# KiCad board register-backplane.kicad_pcb
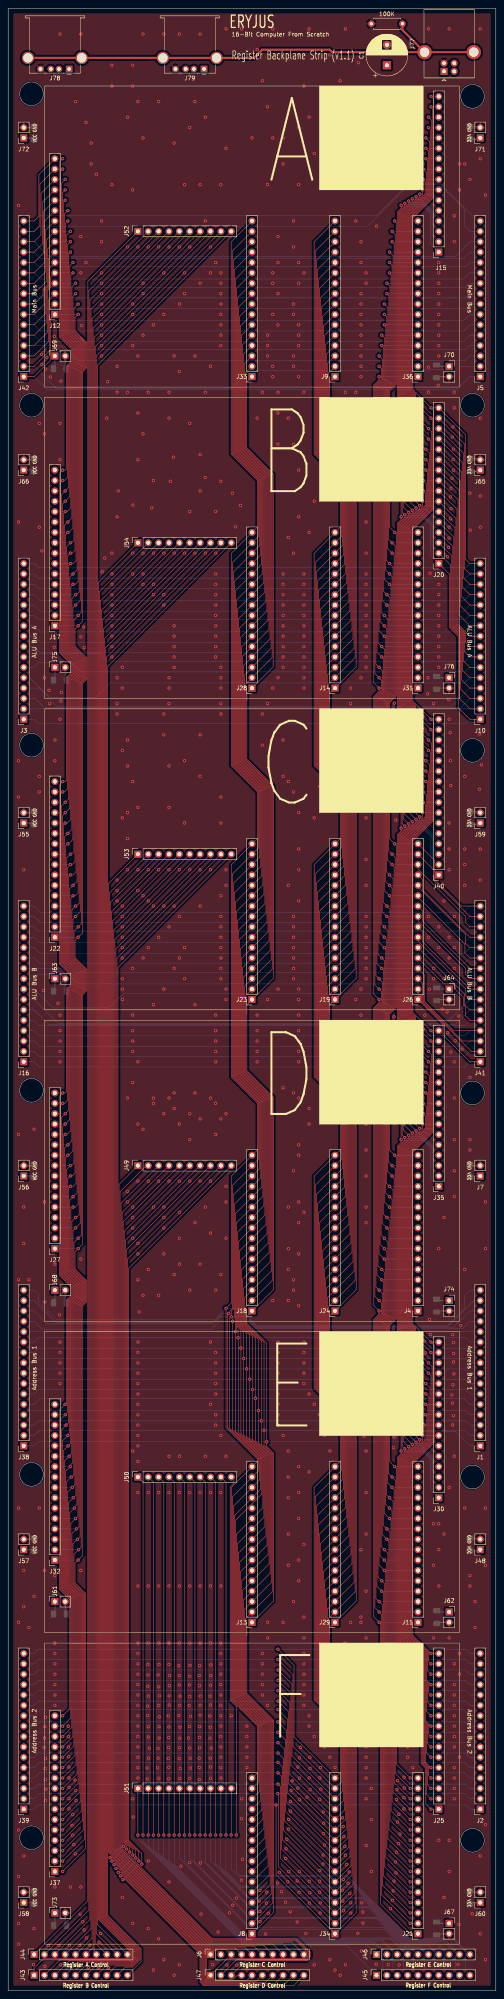
[diagram p0: board, top side]
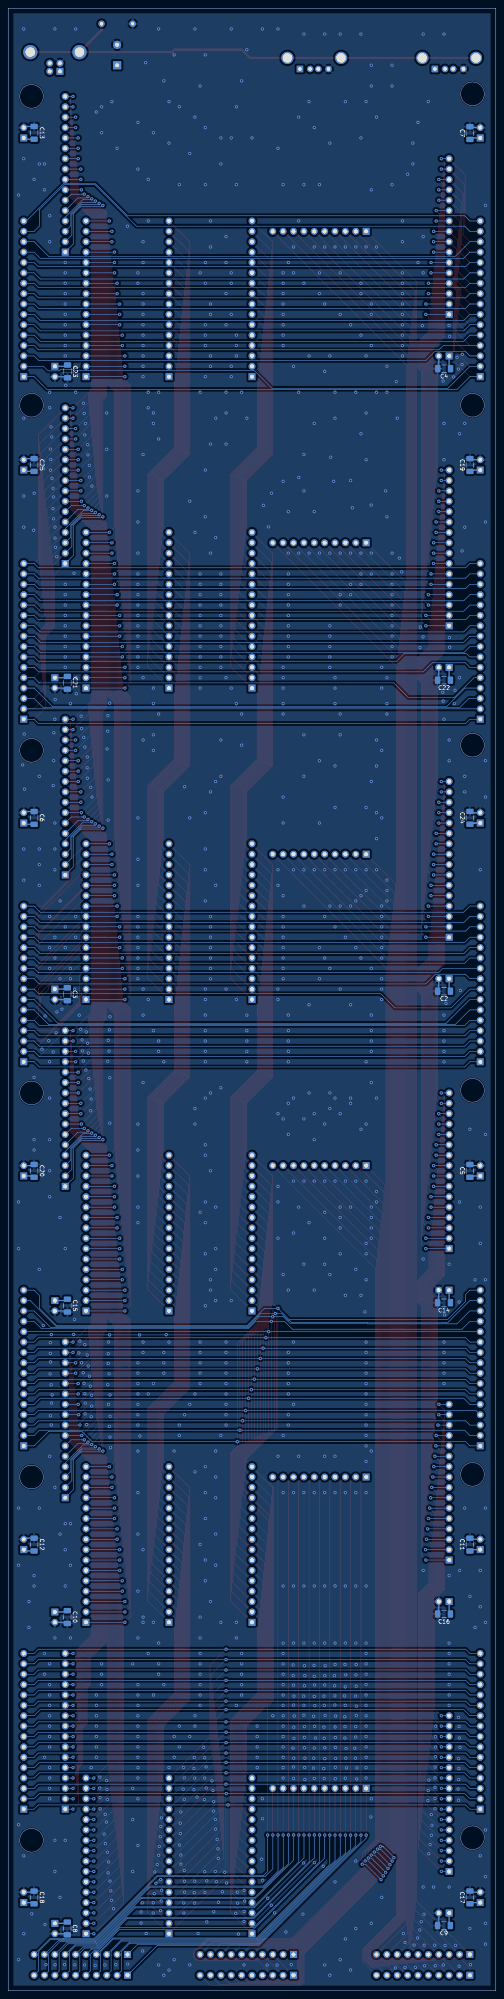
[diagram p1: board, bottom side, seen from below]

Outline 119.38 x 485.14 mm; copper layers: Top, In1.GND (plane), In2.VCC (plane), Bottom. Coordinates in mm from the lower left corner of the outline.
Outline path: rectangle 0,485.14 119.38,0 ; circle c5.71,464.19 r2.9 ; circle c5.71,387.99 r2.9 ; circle c5.71,304.8 r2.9 ; circle c5.71,220.35 r2.9 ; circle c5.71,126.37 r2.9 ; circle c5.71,37.47 r2.9 ; circle c113.66,463.55 r2.9 ; circle c113.66,387.99 r2.9 ; circle c113.66,303.53 r2.9 ; circle c113.66,219.71 r2.9 ; circle c113.66,125.73 r2.9 ; circle c113.66,36.83 r2.9
Stack: Top 0.035mm / dielectric 0.1mm FR4 er 4.5 / In1.GND 0.035mm / dielectric 1.33mm FR4 er 4.5 / In2.VCC 0.035mm / dielectric 0.1mm FR4 er 4.5 / Bottom 0.035mm

## Placement (name value [footprint] x y rotation side)
C1  1000uF  [CP_Radial_D10.0mm_P5.00mm]  92.71 471.17 90 top
C2  47uf  [C_1206_3216Metric_Pad1.33x1.80mm_HandSolder]  12.68 244.6 0 bottom
C3  47uf  [C_1206_3216Metric_Pad1.33x1.80mm_HandSolder]  104.9 243.86 270 bottom
C4  47uf  [C_1206_3216Metric_Pad1.33x1.80mm_HandSolder]  12.65 396.93 0 bottom
C5  47uf  [C_1206_3216Metric_Pad1.33x1.80mm_HandSolder]  6.35 200.64 90 bottom
C6  47uf  [C_1206_3216Metric_Pad1.33x1.80mm_HandSolder]  113.03 287 90 bottom
C7  47uf  [C_1206_3216Metric_Pad1.33x1.80mm_HandSolder]  6.35 454.58 90 bottom
C8  47uf  [C_1206_3216Metric_Pad1.33x1.80mm_HandSolder]  104.9 15.26 270 bottom
C9  47uf  [C_1206_3216Metric_Pad1.33x1.80mm_HandSolder]  12.7 15.98 0 bottom
C10  47uf  [C_1206_3216Metric_Pad1.33x1.80mm_HandSolder]  104.9 91.46 270 bottom
C11  47uf  [C_1206_3216Metric_Pad1.33x1.80mm_HandSolder]  6.35 109.2 90 bottom
C12  47uf  [C_1206_3216Metric_Pad1.33x1.80mm_HandSolder]  113.03 109.2 90 bottom
C13  47uf  [C_1206_3216Metric_Pad1.33x1.80mm_HandSolder]  113.03 454.63 90 bottom
C14  47uf  [C_1206_3216Metric_Pad1.33x1.80mm_HandSolder]  12.68 168.38 0 bottom
C15  47uf  [C_1206_3216Metric_Pad1.33x1.80mm_HandSolder]  104.88 167.66 270 bottom
C16  47uf  [C_1206_3216Metric_Pad1.33x1.80mm_HandSolder]  12.68 92.2 0 bottom
C17  47uf  [C_1206_3216Metric_Pad1.33x1.80mm_HandSolder]  6.35 22.86 90 bottom
C18  47uf  [C_1206_3216Metric_Pad1.33x1.80mm_HandSolder]  113.03 22.84 90 bottom
C19  47uf  [C_1206_3216Metric_Pad1.33x1.80mm_HandSolder]  6.35 373.36 90 bottom
C20  47uf  [C_1206_3216Metric_Pad1.33x1.80mm_HandSolder]  113.03 200.64 90 bottom
C21  47uf  [C_1206_3216Metric_Pad1.33x1.80mm_HandSolder]  104.88 320.06 270 bottom
C22  47uf  [C_1206_3216Metric_Pad1.33x1.80mm_HandSolder]  12.68 320.7 0 bottom
C23  47uf  [C_1206_3216Metric_Pad1.33x1.80mm_HandSolder]  104.85 396.26 270 bottom
C24  47uf  [C_1206_3216Metric_Pad1.33x1.80mm_HandSolder]  6.35 287.02 90 bottom
C25  47uf  [C_1206_3216Metric_Pad1.33x1.80mm_HandSolder]  113.03 373.36 90 bottom
J1  Address Bus 1  [PinSocket_1x16_P2.54mm_Vertical]  115.57 133.35 180 top
J2  Address Bus 2  [PinSocket_1x16_P2.54mm_Vertical]  115.57 44.45 180 top
J3  ALU Bus A  [PinSocket_1x16_P2.54mm_Vertical]  3.81 311.15 180 top
J4  ALU Bus B  [PinSocket_1x16_P2.54mm_Vertical]  100.33 166.37 180 top
J5  Main Bus  [PinSocket_1x16_P2.54mm_Vertical]  115.57 394.97 180 top
J6  Control Signals  [PinSocket_1x10_P2.54mm_Vertical]  49.53 8.89 90 top
J7  Power  [PinSocket_1x02_P2.54mm_Vertical]  115.57 199.39 180 top
J8  Address Bus 1  [PinSocket_1x16_P2.54mm_Vertical]  59.69 13.97 180 top
J9  Address Bus 2  [PinSocket_1x16_P2.54mm_Vertical]  80.01 394.97 180 top
J10  ALU Bus A  [PinSocket_1x16_P2.54mm_Vertical]  115.57 311.15 180 top
J11  ALU Bus B  [PinSocket_1x16_P2.54mm_Vertical]  100.33 90.17 180 top
J12  Main Bus  [PinSocket_1x16_P2.54mm_Vertical]  11.43 410.21 180 top
J13  Address Bus 1  [PinSocket_1x16_P2.54mm_Vertical]  59.69 90.17 180 top
J14  Address Bus 2  [PinSocket_1x16_P2.54mm_Vertical]  80.01 318.77 180 top
J15  ALU Bus A  [PinSocket_1x16_P2.54mm_Vertical]  105.41 425.45 180 top
J16  ALU Bus B  [PinSocket_1x16_P2.54mm_Vertical]  3.81 227.33 180 top
J17  Main Bus  [PinSocket_1x16_P2.54mm_Vertical]  11.43 334.01 180 top
J18  Address Bus 1  [PinSocket_1x16_P2.54mm_Vertical]  59.69 166.37 180 top
J19  Address Bus 2  [PinSocket_1x16_P2.54mm_Vertical]  80.01 242.57 180 top
J20  ALU Bus A  [PinSocket_1x16_P2.54mm_Vertical]  105.41 349.25 180 top
J21  ALU Bus B  [PinSocket_1x16_P2.54mm_Vertical]  100.33 13.97 180 top
J22  Main Bus  [PinSocket_1x16_P2.54mm_Vertical]  11.43 257.81 180 top
J23  Address Bus 1  [PinSocket_1x16_P2.54mm_Vertical]  59.69 242.57 180 top
J24  Address Bus 2  [PinSocket_1x16_P2.54mm_Vertical]  80.01 166.37 180 top
J25  ALU Bus A  [PinSocket_1x16_P2.54mm_Vertical]  105.41 44.45 180 top
J26  ALU Bus B  [PinSocket_1x16_P2.54mm_Vertical]  100.33 242.57 180 top
J27  Main Bus  [PinSocket_1x16_P2.54mm_Vertical]  11.43 181.61 180 top
J28  Address Bus 1  [PinSocket_1x16_P2.54mm_Vertical]  59.69 318.77 180 top
J29  Address Bus 2  [PinSocket_1x16_P2.54mm_Vertical]  80.01 90.17 180 top
J30  ALU Bus A  [PinSocket_1x16_P2.54mm_Vertical]  105.41 120.65 180 top
J31  ALU Bus B  [PinSocket_1x16_P2.54mm_Vertical]  100.33 318.77 180 top
J32  Main Bus  [PinSocket_1x16_P2.54mm_Vertical]  11.43 105.41 180 top
J33  Address Bus 1  [PinSocket_1x16_P2.54mm_Vertical]  59.69 394.97 180 top
J34  Address Bus 2  [PinSocket_1x16_P2.54mm_Vertical]  80.01 13.97 180 top
J35  ALU Bus A  [PinSocket_1x16_P2.54mm_Vertical]  105.41 196.85 180 top
J36  ALU Bus B  [PinSocket_1x16_P2.54mm_Vertical]  100.33 394.97 180 top
J37  Main Bus  [PinSocket_1x16_P2.54mm_Vertical]  11.43 29.21 180 top
J38  Address Bus 1  [PinSocket_1x16_P2.54mm_Vertical]  3.81 133.35 180 top
J39  Address Bus 2  [PinSocket_1x16_P2.54mm_Vertical]  3.81 44.45 180 top
J40  ALU Bus A  [PinSocket_1x16_P2.54mm_Vertical]  105.41 273.05 180 top
J41  ALU Bus B  [PinSocket_1x16_P2.54mm_Vertical]  115.57 227.33 180 top
J42  Main Bus  [PinSocket_1x16_P2.54mm_Vertical]  3.81 394.97 180 top
J43  Control Signals  [PinSocket_1x10_P2.54mm_Vertical]  6.35 3.81 90 top
J44  Control Signals  [PinSocket_1x10_P2.54mm_Vertical]  6.35 8.89 90 top
J45  Control Signals  [PinSocket_1x10_P2.54mm_Vertical]  90.17 3.81 90 top
J46  Control Signals  [PinSocket_1x10_P2.54mm_Vertical]  90.17 8.89 90 top
J47  Control Signals  [PinSocket_1x10_P2.54mm_Vertical]  49.53 3.81 90 top
J48  Power  [PinSocket_1x02_P2.54mm_Vertical]  115.57 107.95 180 top
J49  Control Signals  [PinSocket_1x10_P2.54mm_Vertical]  31.75 201.93 90 top
J50  Control Signals  [PinSocket_1x10_P2.54mm_Vertical]  31.75 125.73 90 top
J51  Control Signals  [PinSocket_1x10_P2.54mm_Vertical]  31.75 49.53 90 top
J52  Control Signals  [PinSocket_1x10_P2.54mm_Vertical]  31.75 430.53 90 top
J53  Control Signals  [PinSocket_1x10_P2.54mm_Vertical]  31.75 278.13 90 top
J54  Control Signals  [PinSocket_1x10_P2.54mm_Vertical]  31.75 354.33 90 top
J55  Power  [PinSocket_1x02_P2.54mm_Vertical]  3.81 285.75 180 top
J56  Power  [PinSocket_1x02_P2.54mm_Vertical]  3.81 199.39 180 top
J57  Power  [PinSocket_1x02_P2.54mm_Vertical]  3.81 107.95 180 top
J58  Power  [PinSocket_1x02_P2.54mm_Vertical]  3.81 21.59 180 top
J59  Power  [PinSocket_1x02_P2.54mm_Vertical]  115.57 285.75 180 top
J60  Power  [PinSocket_1x02_P2.54mm_Vertical]  115.57 21.59 180 top
J61  Power  [PinSocket_1x02_P2.54mm_Vertical]  11.43 95.25 90 top
J62  Power  [PinSocket_1x02_P2.54mm_Vertical]  107.95 92.71 0 top
J63  Power  [PinSocket_1x02_P2.54mm_Vertical]  11.43 247.65 90 top
J64  Power  [PinSocket_1x02_P2.54mm_Vertical]  107.95 245.11 0 top
J65  Power  [PinSocket_1x02_P2.54mm_Vertical]  115.57 372.11 180 top
J66  Power  [PinSocket_1x02_P2.54mm_Vertical]  3.81 372.11 180 top
J67  Power  [PinSocket_1x02_P2.54mm_Vertical]  107.95 16.51 0 top
J68  Power  [PinSocket_1x02_P2.54mm_Vertical]  11.43 171.45 90 top
J69  Power  [PinSocket_1x02_P2.54mm_Vertical]  11.43 400.05 90 top
J70  Power  [PinSocket_1x02_P2.54mm_Vertical]  107.95 397.51 0 top
J71  Power  [PinSocket_1x02_P2.54mm_Vertical]  115.57 453.39 180 top
J72  Power  [PinSocket_1x02_P2.54mm_Vertical]  3.81 453.39 180 top
J73  Power  [PinSocket_1x02_P2.54mm_Vertical]  11.43 19.05 90 top
J74  Power  [PinSocket_1x02_P2.54mm_Vertical]  107.95 168.91 0 top
J75  Power  [PinSocket_1x02_P2.54mm_Vertical]  11.43 323.85 90 top
J76  Power  [PinSocket_1x02_P2.54mm_Vertical]  107.95 321.31 0 top
J77  USB_B  [USB_B_OST_USB-B1HSxx_Horizontal]  106.7 469.67 90 top
J78  USB_A  [USB_A_Stewart_SS-52100-001_Horizontal]  14.93 470.26 180 top
J79  USB_A  [USB_A_Stewart_SS-52100-001_Horizontal]  47.95 470.26 180 top
R1  100K  [R_Axial_DIN0207_L6.3mm_D2.5mm_P7.62mm_Horizontal]  96.52 481.33 180 top

## Library data of the parts
C1 = -: Description: Polarized capacitor, US symbol
C2-C25 = -: Description: Unpolarized capacitor, small symbol
J1-J5 J8-J42 = -: Description: Generic connector, single row, 01x16, script generated
J6 J43-J47 J49-J54 = -: Description: Generic connector, single row, 01x10, script generated
J7 J48 J55-J76 = -: Description: Generic connector, single row, 01x02, script generated
J77 = -: Description: USB Type B connector
J78 J79 = -: Description: USB Type A connector
R1 = -: Description: Resistor

## Footprints (pads in the part's own frame, mm; a bottom-side part is the same pattern mirrored in y, then rotated)
C_1206_3216Metric_Pad1.33x1.80mm_HandSolder
  rrect 1.325x1.8 smd: 1(-1.562,0) 2(1.562,0)
CP_Radial_D10.0mm_P5.00mm
  rect 2x2 hole 1: 1(0,0)
  round 2 hole 1: 2(5,0)
PinSocket_1x02_P2.54mm_Vertical
  rect 1.7x1.7 hole 1: 1(0,0)
  oval 1.7x1.7 hole 1: 2(0,-2.54)
PinSocket_1x10_P2.54mm_Vertical
  rect 1.7x1.7 hole 1: 1(0,0)
  oval 1.7x1.7 hole 1: 2(0,-2.54) 3(0,-5.08) 4(0,-7.62) 5(0,-10.16) 6(0,-12.7) 7(0,-15.24) 8(0,-17.78) 9(0,-20.32) 10(0,-22.86)
PinSocket_1x16_P2.54mm_Vertical
  rect 1.7x1.7 hole 1: 1(0,0)
  oval 1.7x1.7 hole 1: 2(0,-2.54) 3(0,-5.08) 4(0,-7.62) 5(0,-10.16) 6(0,-12.7) 7(0,-15.24) 8(0,-17.78) 9(0,-20.32) 10(0,-22.86) 11(0,-25.4) 12(0,-27.94) 13(0,-30.48) 14(0,-33.02) 15(0,-35.56) 16(0,-38.1)
R_Axial_DIN0207_L6.3mm_D2.5mm_P7.62mm_Horizontal
  round 1.6 hole 0.8: 1(0,0)
  oval 1.6x1.6 hole 0.8: 2(7.62,0)
USB_A_Stewart_SS-52100-001_Horizontal
  rect 1.6x1.6 hole 0.92: 1(0,0)
  round 1.6 hole 0.92: 2(2.5,0) 3(4.5,0) 4(7,0)
  round 3 hole 2.3: 5(-3.07,-2.71) 5(10.07,-2.71)
USB_B_OST_USB-B1HSxx_Horizontal
  rect 1.7x1.7 hole 0.92: 1(0,0)
  round 1.7 hole 0.92: 2(0,-2.5) 3(2,-2.5) 4(2,0)
  round 3.5 hole 2.33: 5(4.71,4.77) 5(4.71,-7.27)

## Nets
GNDREF: C1.2 C2.2 C3.2 C4.2 C5.2 C6.2 C7.2 C8.2 C9.2 C10.2 C11.2 C12.2 C13.2 C14.2 C15.2 C16.2 C17.2 C18.2 C19.2 C20.2 C21.2 C22.2 C23.2 C24.2 C25.2 J7.2 J48.2 J55.2 J56.2 J57.2 J58.2 J59.2 J60.2 J61.2 J62.2 J63.2 J64.2 J65.2 J66.2 J67.2 J68.2 J69.2 J70.2 J71.2 J72.2 J73.2 J74.2 J75.2 J76.2 J77.4 J78.4 J79.4 R1.2
VCC: C1.1 C2.1 C3.1 C4.1 C5.1 C6.1 C7.1 C8.1 C9.1 C10.1 C11.1 C12.1 C13.1 C14.1 C15.1 C16.1 C17.1 C18.1 C19.1 C20.1 C21.1 C22.1 C23.1 C24.1 C25.1 J7.1 J48.1 J55.1 J56.1 J57.1 J58.1 J59.1 J60.1 J61.1 J62.1 J63.1 J64.1 J65.1 J66.1 J67.1 J68.1 J69.1 J70.1 J71.1 J72.1 J73.1 J74.1 J75.1 J76.1 J77.1 J78.1 J79.1
AddrBus1Assert_A: J47.9 J49.9
AddrBus1Assert_B: J46.9 J50.9
AddrBus1Assert_C: J45.9 J51.9
AddrBus1Assert_D: J44.9 J52.9
AddrBus1Assert_E: J6.9 J53.9
AddrBus1Assert_F: J43.9 J54.9
AddrBus1Bit0: J1.1 J8.1 J13.1 J18.1 J23.1 J28.1 J33.1 J38.1
AddrBus1Bit1: J1.2 J8.2 J13.2 J18.2 J23.2 J28.2 J33.2 J38.2
AddrBus1Bit2: J1.3 J8.3 J13.3 J18.3 J23.3 J28.3 J33.3 J38.3
AddrBus1Bit3: J1.4 J8.4 J13.4 J18.4 J23.4 J28.4 J33.4 J38.4
AddrBus1Bit4: J1.5 J8.5 J13.5 J18.5 J23.5 J28.5 J33.5 J38.5
AddrBus1Bit5: J1.6 J8.6 J13.6 J18.6 J23.6 J28.6 J33.6 J38.6
AddrBus1Bit6: J1.7 J8.7 J13.7 J18.7 J23.7 J28.7 J33.7 J38.7
AddrBus1Bit7: J1.8 J8.8 J13.8 J18.8 J23.8 J28.8 J33.8 J38.8
AddrBus1Bit8: J1.9 J8.9 J13.9 J18.9 J23.9 J28.9 J33.9 J38.9
AddrBus1Bit9: J1.10 J8.10 J13.10 J18.10 J23.10 J28.10 J33.10 J38.10
AddrBus1BitA: J1.11 J8.11 J13.11 J18.11 J23.11 J28.11 J33.11 J38.11
AddrBus1BitB: J1.12 J8.12 J13.12 J18.12 J23.12 J28.12 J33.12 J38.12
AddrBus1BitC: J1.13 J8.13 J13.13 J18.13 J23.13 J28.13 J33.13 J38.13
AddrBus1BitD: J1.14 J8.14 J13.14 J18.14 J23.14 J28.14 J33.14 J38.14
AddrBus1BitE: J1.15 J8.15 J13.15 J18.15 J23.15 J28.15 J33.15 J38.15
AddrBus1BitF: J1.16 J8.16 J13.16 J18.16 J23.16 J28.16 J33.16 J38.16
AddrBus2Assert_A: J47.10 J49.10
AddrBus2Assert_B: J46.10 J50.10
AddrBus2Assert_C: J45.10 J51.10
AddrBus2Assert_D: J44.10 J52.10
AddrBus2Assert_E: J6.10 J53.10
AddrBus2Assert_F: J43.10 J54.10
AddrBus2Bit0: J2.1 J9.1 J14.1 J19.1 J24.1 J29.1 J34.1 J39.1
AddrBus2Bit1: J2.2 J9.2 J14.2 J19.2 J24.2 J29.2 J34.2 J39.2
AddrBus2Bit2: J2.3 J9.3 J14.3 J19.3 J24.3 J29.3 J34.3 J39.3
AddrBus2Bit3: J2.4 J9.4 J14.4 J19.4 J24.4 J29.4 J34.4 J39.4
AddrBus2Bit4: J2.5 J9.5 J14.5 J19.5 J24.5 J29.5 J34.5 J39.5
AddrBus2Bit5: J2.6 J9.6 J14.6 J19.6 J24.6 J29.6 J34.6 J39.6
AddrBus2Bit6: J2.7 J9.7 J14.7 J19.7 J24.7 J29.7 J34.7 J39.7
AddrBus2Bit7: J2.8 J9.8 J14.8 J19.8 J24.8 J29.8 J34.8 J39.8
AddrBus2Bit8: J2.9 J9.9 J14.9 J19.9 J24.9 J29.9 J34.9 J39.9
AddrBus2Bit9: J2.10 J9.10 J14.10 J19.10 J24.10 J29.10 J34.10 J39.10
AddrBus2BitA: J2.11 J9.11 J14.11 J19.11 J24.11 J29.11 J34.11 J39.11
AddrBus2BitB: J2.12 J9.12 J14.12 J19.12 J24.12 J29.12 J34.12 J39.12
AddrBus2BitC: J2.13 J9.13 J14.13 J19.13 J24.13 J29.13 J34.13 J39.13
AddrBus2BitD: J2.14 J9.14 J14.14 J19.14 J24.14 J29.14 J34.14 J39.14
AddrBus2BitE: J2.15 J9.15 J14.15 J19.15 J24.15 J29.15 J34.15 J39.15
AddrBus2BitF: J2.16 J9.16 J14.16 J19.16 J24.16 J29.16 J34.16 J39.16
ALUAAssert_A: J47.7 J49.7
ALUAAssert_B: J46.7 J50.7
ALUAAssert_C: J45.7 J51.7
ALUAAssert_D: J44.7 J52.7
ALUAAssert_E: J6.7 J53.7
ALUAAssert_F: J43.7 J54.7
ALUABit0: J3.1 J10.1 J15.1 J20.1 J25.1 J30.1 J35.1 J40.1
ALUABit1: J3.2 J10.2 J15.2 J20.2 J25.2 J30.2 J35.2 J40.2
ALUABit2: J3.3 J10.3 J15.3 J20.3 J25.3 J30.3 J35.3 J40.3
ALUABit3: J3.4 J10.4 J15.4 J20.4 J25.4 J30.4 J35.4 J40.4
ALUABit4: J3.5 J10.5 J15.5 J20.5 J25.5 J30.5 J35.5 J40.5
ALUABit5: J3.6 J10.6 J15.6 J20.6 J25.6 J30.6 J35.6 J40.6
ALUABit6: J3.7 J10.7 J15.7 J20.7 J25.7 J30.7 J35.7 J40.7
ALUABit7: J3.8 J10.8 J15.8 J20.8 J25.8 J30.8 J35.8 J40.8
ALUABit8: J3.9 J10.9 J15.9 J20.9 J25.9 J30.9 J35.9 J40.9
ALUABit9: J3.10 J10.10 J15.10 J20.10 J25.10 J30.10 J35.10 J40.10
ALUABitA: J3.11 J10.11 J15.11 J20.11 J25.11 J30.11 J35.11 J40.11
ALUABitB: J3.12 J10.12 J15.12 J20.12 J25.12 J30.12 J35.12 J40.12
ALUABitC: J3.13 J10.13 J15.13 J20.13 J25.13 J30.13 J35.13 J40.13
ALUABitD: J3.14 J10.14 J15.14 J20.14 J25.14 J30.14 J35.14 J40.14
ALUABitE: J3.15 J10.15 J15.15 J20.15 J25.15 J30.15 J35.15 J40.15
ALUABitF: J3.16 J10.16 J15.16 J20.16 J25.16 J30.16 J35.16 J40.16
ALUBAssert_A: J47.8 J49.8
ALUBAssert_B: J46.8 J50.8
ALUBAssert_C: J45.8 J51.8
ALUBAssert_D: J44.8 J52.8
ALUBAssert_E: J6.8 J53.8
ALUBAssert_F: J43.8 J54.8
ALUBBit0: J4.1 J11.1 J16.1 J21.1 J26.1 J31.1 J36.1 J41.1
ALUBBit1: J4.2 J11.2 J16.2 J21.2 J26.2 J31.2 J36.2 J41.2
ALUBBit2: J4.3 J11.3 J16.3 J21.3 J26.3 J31.3 J36.3 J41.3
ALUBBit3: J4.4 J11.4 J16.4 J21.4 J26.4 J31.4 J36.4 J41.4
ALUBBit4: J4.5 J11.5 J16.5 J21.5 J26.5 J31.5 J36.5 J41.5
ALUBBit5: J4.6 J11.6 J16.6 J21.6 J26.6 J31.6 J36.6 J41.6
ALUBBit6: J4.7 J11.7 J16.7 J21.7 J26.7 J31.7 J36.7 J41.7
ALUBBit7: J4.8 J11.8 J16.8 J21.8 J26.8 J31.8 J36.8 J41.8
ALUBBit8: J4.9 J11.9 J16.9 J21.9 J26.9 J31.9 J36.9 J41.9
ALUBBit9: J4.10 J11.10 J16.10 J21.10 J26.10 J31.10 J36.10 J41.10
ALUBBitA: J4.11 J11.11 J16.11 J21.11 J26.11 J31.11 J36.11 J41.11
ALUBBitB: J4.12 J11.12 J16.12 J21.12 J26.12 J31.12 J36.12 J41.12
ALUBBitC: J4.13 J11.13 J16.13 J21.13 J26.13 J31.13 J36.13 J41.13
ALUBBitD: J4.14 J11.14 J16.14 J21.14 J26.14 J31.14 J36.14 J41.14
ALUBBitE: J4.15 J11.15 J16.15 J21.15 J26.15 J31.15 J36.15 J41.15
ALUBBitF: J4.16 J11.16 J16.16 J21.16 J26.16 J31.16 J36.16 J41.16
AndLatch_A: J47.4 J49.4
AndLatch_B: J46.4 J50.4
AndLatch_C: J45.4 J51.4
AndLatch_D: J44.4 J52.4
AndLatch_E: J6.4 J53.4
AndLatch_F: J43.4 J54.4
Clear_A: J47.1 J49.1
Clear_B: J46.1 J50.1
Clear_C: J45.1 J51.1
Clear_D: J44.1 J52.1
Clear_E: J6.1 J53.1
Clear_F: J43.1 J54.1
MainBit0: J5.1 J12.1 J17.1 J22.1 J27.1 J32.1 J37.1 J42.1
MainBit1: J5.2 J12.2 J17.2 J22.2 J27.2 J32.2 J37.2 J42.2
MainBit2: J5.3 J12.3 J17.3 J22.3 J27.3 J32.3 J37.3 J42.3
MainBit3: J5.4 J12.4 J17.4 J22.4 J27.4 J32.4 J37.4 J42.4
MainBit4: J5.5 J12.5 J17.5 J22.5 J27.5 J32.5 J37.5 J42.5
MainBit5: J5.6 J12.6 J17.6 J22.6 J27.6 J32.6 J37.6 J42.6
MainBit6: J5.7 J12.7 J17.7 J22.7 J27.7 J32.7 J37.7 J42.7
MainBit7: J5.8 J12.8 J17.8 J22.8 J27.8 J32.8 J37.8 J42.8
MainBit8: J5.9 J12.9 J17.9 J22.9 J27.9 J32.9 J37.9 J42.9
MainBit9: J5.10 J12.10 J17.10 J22.10 J27.10 J32.10 J37.10 J42.10
MainBitA: J5.11 J12.11 J17.11 J22.11 J27.11 J32.11 J37.11 J42.11
MainBitB: J5.12 J12.12 J17.12 J22.12 J27.12 J32.12 J37.12 J42.12
MainBitC: J5.13 J12.13 J17.13 J22.13 J27.13 J32.13 J37.13 J42.13
MainBitD: J5.14 J12.14 J17.14 J22.14 J27.14 J32.14 J37.14 J42.14
MainBitE: J5.15 J12.15 J17.15 J22.15 J27.15 J32.15 J37.15 J42.15
MainBitF: J5.16 J12.16 J17.16 J22.16 J27.16 J32.16 J37.16 J42.16
MainBusAssert_A: J47.6 J49.6
MainBusAssert_B: J46.6 J50.6
MainBusAssert_C: J45.6 J51.6
MainBusAssert_D: J44.6 J52.6
MainBusAssert_E: J6.6 J53.6
MainBusAssert_F: J43.6 J54.6
RegisterInput0_A: J47.2 J49.2
RegisterInput0_B: J46.2 J50.2
RegisterInput0_C: J45.2 J51.2
RegisterInput0_D: J44.2 J52.2
RegisterInput0_E: J6.2 J53.2
RegisterInput0_F: J43.2 J54.2
RegisterInput1_A: J47.3 J49.3
RegisterInput1_B: J46.3 J50.3
RegisterInput1_C: J45.3 J51.3
RegisterInput1_D: J44.3 J52.3
RegisterInput1_E: J6.3 J53.3
RegisterInput1_F: J43.3 J54.3
SwapBusAssert_A: J47.5 J49.5
SwapBusAssert_B: J46.5 J50.5
SwapBusAssert_C: J45.5 J51.5
SwapBusAssert_D: J44.5 J52.5
SwapBusAssert_E: J6.5 J53.5
SwapBusAssert_F: J43.5 J54.5
Net-(J77-Shield): J77.5 J78.5 J79.5 R1.1

Pads without a net: J77 2 3; J78 2 3; J79 2 3

## Via types
v1: diameter 0.8, hole 0.4, Top to Bottom, 1673 vias
